# Altium PCB FIT_TDC_ADC.PcbDoc (part 5 of 10) (continued)
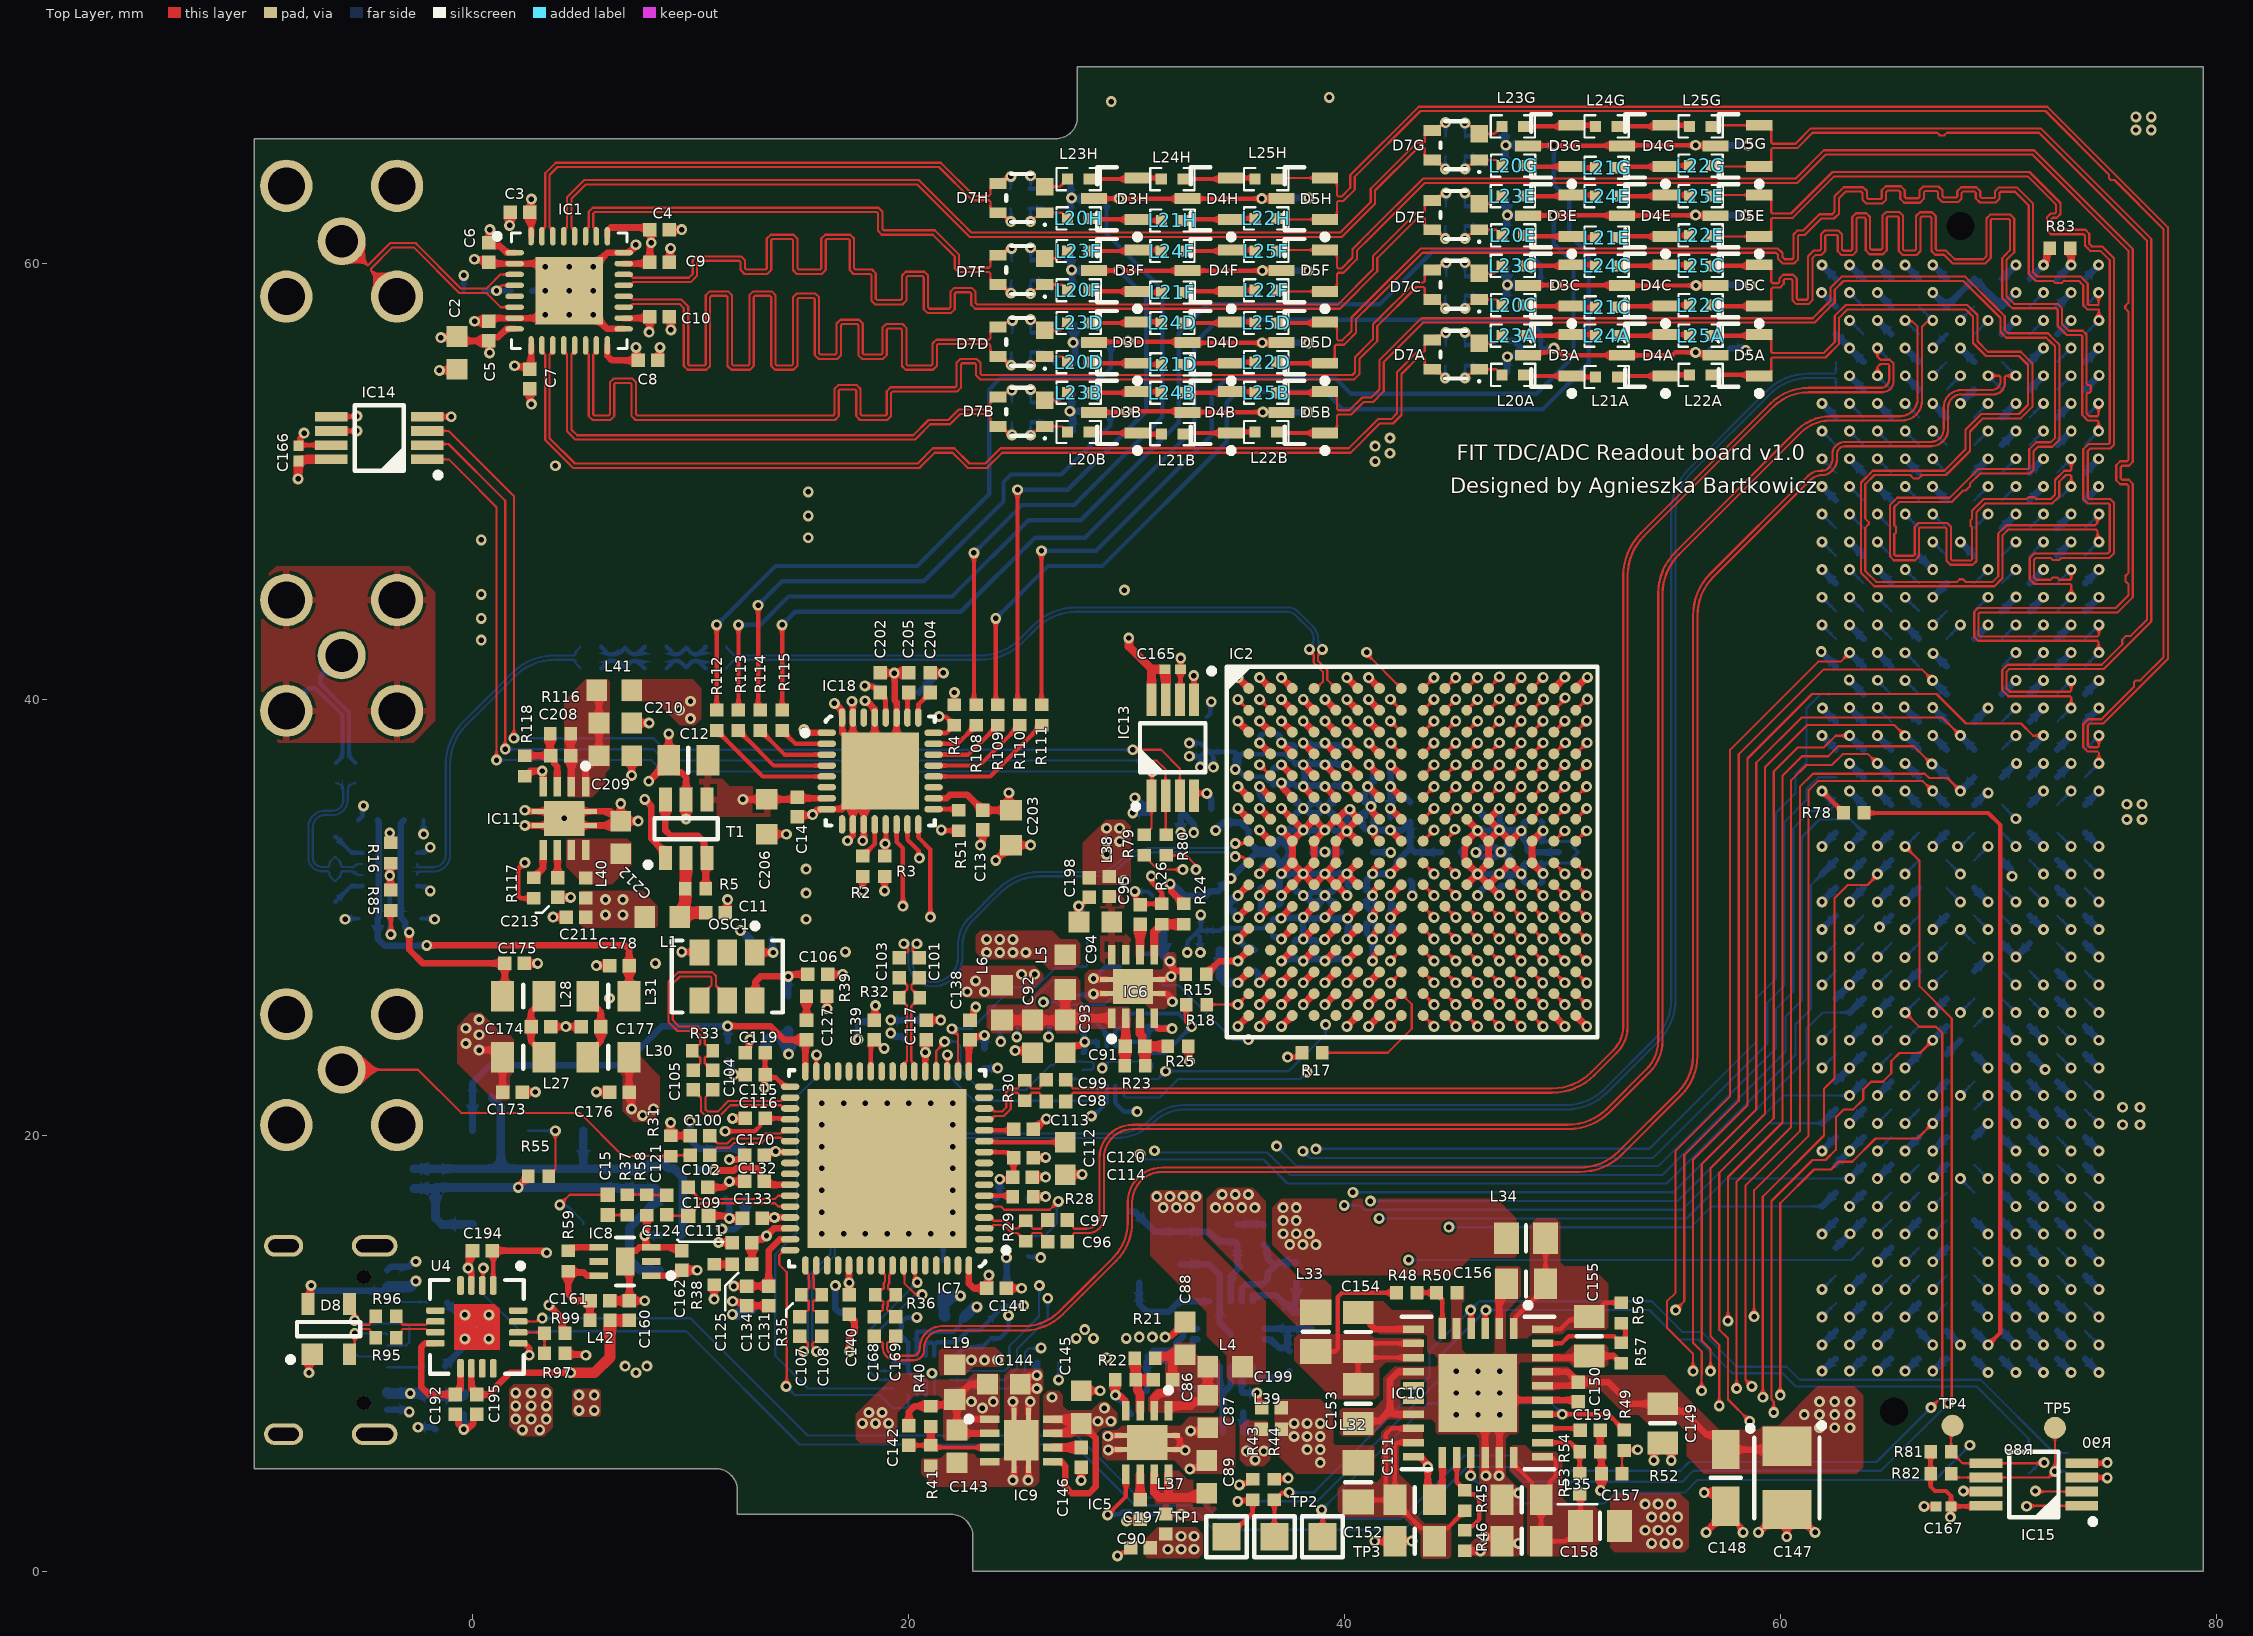
[diagram p0: Top Layer view]
## Nets (pads, with @x,y where several pads share a name; then routed paths per layer and width w, separated by ;. In a path a pad name is that pad's centre, name@x,y a point inside that pad or via, vN(x,y) a via of type N, cw(c..) or ccw(c..) an arc to the next point about the centre after c; other vN are vias at no path point) (continued)
  SIGNAL5 w0.1: v1(51.104,30.976) 51.077,30.95 50.774,30.95 50.704,30.88 50.704,30.686 50.805,30.585 52.992,30.585 53.168,30.41 53.168,29.205 53.226,29.146 53.721,29.146 53.78,29.205 53.78,31.554 53.956,31.73 54.592,31.73 54.709,31.613 54.767,31.554 54.767,29.273 54.873,29.168 57.611,29.168 57.787,28.992 57.787,23.728 57.846,23.669 58.436,23.669 58.495,23.728 58.495,28.994 58.67,29.169 59.442,29.169 59.618,28.994 59.618,23.619 59.676,23.561 60.819,23.561 60.878,23.619 60.878,25.211 60.819,25.269 60.471,25.269 60.254,25.486 60.254,28.994 60.429,29.169 61.137,29.169 61.313,28.994 61.313,26.453 61.372,26.394 62.536,26.394 62.712,26.219 62.712,23.79 62.536,23.614 61.958,23.614 61.9,23.556 v1(61.9,23.079)
  Bottom Layer w0.1: v1(61.9,23.079) J4.k29@62.535,23.714
DD_CLK_P: IC2.K15 J4.k28 | length 49.4
  Top Layer w0.1: IC2.K15@49.604,31.485 v1(50.104,30.985)
  SIGNAL5 w0.1: v1(50.104,30.985) 50.139,30.95 50.434,30.95 50.504,30.88 50.504,30.604 50.722,30.385 52.909,30.385 52.968,30.327 52.968,29.122 53.144,28.946 53.804,28.946 53.98,29.122 53.98,31.472 54.039,31.53 54.509,31.53 54.567,31.472 54.567,29.191 54.79,28.968 57.529,28.968 57.587,28.909 57.587,23.645 57.763,23.469 58.519,23.469 58.695,23.645 58.695,28.911 58.753,28.969 59.359,28.969 59.418,28.911 59.418,23.537 59.594,23.361 60.902,23.361 61.078,23.537 61.078,25.294 60.902,25.469 60.554,25.469 60.454,25.569 60.454,28.911 60.512,28.969 61.054,28.969 61.113,28.911 61.113,26.37 61.172,26.311 61.289,26.194 62.453,26.194 62.512,26.136 62.512,23.873 62.453,23.814 61.958,23.814 61.9,23.873 v1(61.9,24.349)
  Bottom Layer w0.1: v1(61.9,24.349) J4.k28@62.535,24.984
DD_D0_N: IC2.T14 J4.f35 | length 48.1
  Top Layer w0.1: IC2.T14@48.604,25.485 v1(49.104,24.985)
  SIGNAL5 w0.1: v1(49.104,24.985) 49.068,24.95 48.774,24.95 48.704,24.88 48.704,24.169 48.804,24.069 49.644,24.069 49.82,23.894 49.82,23.214 49.574,22.967 49.574,22.612 49.813,22.373 49.813,21.851 49.559,21.597 49.559,21.409 49.845,21.124 49.845,20.711 49.52,20.386 49.52,20.161 49.688,19.992 50.183,19.497 50.366,19.497 50.532,19.497 50.9,19.129 50.9,19.046 50.9,18.908 50.9,18.79 51.152,18.538 51.511,18.538 51.761,18.289 51.761,17.93 51.958,17.732 52.144,17.732 52.309,17.732 52.618,17.424 52.618,17.258 52.618,17.085 52.939,16.763 53.278,16.763 53.591,16.451 53.591,16.285 53.703,16.173 53.976,16.173 54.27,16.467 54.361,16.558 54.42,16.617 54.844,16.617 55.02,16.441 55.02,15.782 55.078,15.724 55.661,15.724 55.72,15.782 55.72,16.543 55.896,16.718 56.677,16.718 56.853,16.543 56.853,15.787 56.911,15.729 57.461,15.729 57.52,15.787 57.52,16.553 57.696,16.729 58.403,16.729 58.578,16.553 58.578,15.793 58.637,15.734 59.12,15.734 59.178,15.793 59.178,16.549 59.354,16.725 60.105,16.725 60.281,16.549 60.281,15.743 60.34,15.684 60.859,15.684 60.918,15.743 60.918,16.011 60.976,16.069 61.094,16.186 62.031,16.186 62.285,16.44 62.639,16.44 62.697,16.382 62.81,16.269 62.893,16.186 63.285,16.186 63.416,16.318 63.533,16.435 64.025,16.435 64.264,16.195 64.913,16.195 65.22,15.888 65.22,15.327 65.57,14.977 67.627,14.977 68.82,16.169 71.308,16.169 71.367,16.228 71.367,17.122 71.211,17.278 70.305,17.278 70.246,17.22 70.246,16.945 70.07,16.769 69.296,16.769 69.12,16.945 69.12,17.22 69.061,17.278 68.629,17.278 67.993,16.642 67.993,16.164 67.817,15.989 67.156,15.989 67.15,15.994 67.038,15.994 66.98,15.936 v1(66.98,15.469)
  Bottom Layer w0.1: v1(66.98,15.469) 66.99,15.469 J4.f35@67.615,16.094
DD_D0_P: IC2.T13 J4.f34 | length 49.1
  Top Layer w0.1: IC2.T13@47.604,25.485 v1(48.104,24.985)
  SIGNAL5 w0.1: v1(48.104,24.985) 48.139,24.95 48.434,24.95 48.504,24.88 48.504,24.086 48.721,23.869 49.561,23.869 49.62,23.811 49.62,23.297 49.491,23.167 49.374,23.05 49.374,22.53 49.432,22.471 49.53,22.373 49.613,22.29 49.613,21.934 49.359,21.68 49.359,21.327 49.418,21.268 49.53,21.156 49.645,21.041 49.645,20.794 49.32,20.469 49.32,20.078 49.605,19.792 50.101,19.297 50.449,19.297 50.7,19.046 50.7,18.708 51.069,18.338 51.428,18.338 51.561,18.206 51.561,17.847 51.875,17.532 52.226,17.532 52.418,17.341 52.418,17.002 52.857,16.563 52.939,16.563 53.078,16.563 53.195,16.563 53.386,16.373 53.386,16.207 53.62,15.973 54.059,15.973 54.502,16.417 54.761,16.417 54.82,16.358 54.82,15.699 54.996,15.524 55.744,15.524 55.92,15.699 55.92,16.46 55.978,16.518 56.594,16.518 56.653,16.46 56.653,15.705 56.828,15.529 57.544,15.529 57.72,15.705 57.72,16.47 57.778,16.529 58.32,16.529 58.378,16.47 58.378,15.71 58.554,15.534 59.203,15.534 59.378,15.71 59.378,16.467 59.437,16.525 60.023,16.525 60.081,16.467 60.081,15.66 60.257,15.484 60.942,15.484 61.118,15.66 61.118,15.928 61.176,15.986 62.114,15.986 62.368,16.24 62.556,16.24 62.81,15.986 63.368,15.986 63.616,16.235 63.942,16.235 64.181,15.995 64.83,15.995 65.02,15.805 65.02,15.244 65.487,14.777 67.71,14.777 68.903,15.969 71.391,15.969 71.567,16.145 71.567,17.205 71.294,17.478 70.222,17.478 70.046,17.303 70.046,17.028 69.988,16.969 69.378,16.969 69.32,17.028 69.32,17.303 69.144,17.478 68.546,17.478 67.793,16.725 67.793,16.247 67.734,16.189 67.238,16.189 67.233,16.194 67.038,16.194 66.98,16.253 v1(66.98,16.729)
  Bottom Layer w0.1: v1(66.98,16.729) J4.f34@67.615,17.364
DD_D1_N: IC2.R14 J4.f23 | length 48.7
  Top Layer w0.1: IC2.R14@48.604,26.485 v1(49.104,25.985)
  SIGNAL5 w0.1: v1(49.104,25.985) 49.068,25.95 48.774,25.95 48.704,25.88 48.704,25.661 48.762,25.603 49.434,25.603 49.504,25.673 49.504,32.359 49.87,32.725 52.322,32.725 53.431,33.834 53.548,33.951 67.174,33.951 67.291,33.834 67.572,33.554 67.689,33.437 67.689,31.069 67.489,30.869 67.283,30.869 67.225,30.811 67.225,30.199 67.283,30.141 75.073,30.141 75.131,30.199 75.131,31.179 75.073,31.238 68.361,31.238 68.25,31.126 v1(68.25,30.699)
  Bottom Layer w0.1: J4.f23@67.615,31.334 v1(68.25,30.699)
DD_D1_P: IC2.R13 J4.f22 | length 49.7
  Top Layer w0.1: IC2.R13@47.604,26.485 48.104,25.985 v1(48.104,25.98)
  SIGNAL5 w0.1: v1(48.104,25.98) 48.134,25.95 48.434,25.95 48.504,25.88 48.504,25.579 48.68,25.403 49.517,25.403 49.704,25.59 49.704,32.276 49.952,32.525 52.405,32.525 53.631,33.751 67.091,33.751 67.489,33.354 67.489,31.152 67.406,31.069 67.2,31.069 67.025,30.894 67.025,30.116 67.2,29.941 75.156,29.941 75.331,30.116 75.331,31.262 75.156,31.438 68.361,31.438 68.25,31.549 v1(68.25,31.969)
  Bottom Layer w0.1: J4.f22@67.615,32.604 v1(68.25,31.969)
DD_D2_N: IC2.P14 J4.e34 | length 49.5
  Top Layer w0.1: IC2.P14@48.604,27.485 49.091,26.998 v1(49.091,26.98)
  SIGNAL5 w0.1: v1(49.091,26.98) 49.05,27.021 48.774,27.021 48.704,27.091 48.704,27.367 48.486,27.585 47.772,27.585 47.504,27.317 47.504,23.318 47.68,23.143 48.561,23.143 48.62,23.084 48.62,19.439 48.896,19.163 52.132,15.927 53.29,14.769 64.42,14.769 64.877,14.312 64.877,14.029 64.936,13.97 65.187,13.719 65.319,13.586 65.437,13.469 67.678,13.469 67.99,13.782 68.978,14.769 70.92,14.769 71.122,14.567 71.726,14.567 71.928,14.769 72.503,14.769 72.92,15.186 72.92,15.552 72.642,15.83 72.642,16.15 72.803,16.31 72.92,16.427 72.92,16.94 72.803,17.057 72.624,17.235 72.624,17.574 72.869,17.818 72.869,18.503 72.603,18.769 69.037,18.769 68.82,18.552 68.82,18.069 68.75,17.999 v1(68.25,17.999)
  Bottom Layer w0.1: v1(68.25,17.999) J4.e34@68.885,17.364
DD_D2_P: IC2.P13 J4.e33 | length 47.5
  Top Layer w0.1: IC2.P13@47.604,27.485 48.104,26.985 v1(48.104,26.98)
  SIGNAL5 w0.1: v1(48.104,26.98) 48.145,27.021 48.434,27.021 48.504,27.091 48.504,27.284 48.403,27.385 47.855,27.385 47.704,27.234 47.704,23.401 47.762,23.343 48.644,23.343 48.82,23.167 48.82,19.522 49.096,19.246 52.273,16.069 52.473,15.869 53.373,14.969 64.503,14.969 65.077,14.395 65.077,14.112 65.519,13.669 67.595,13.669 67.907,13.982 68.895,14.969 71.003,14.969 71.205,14.767 71.644,14.767 71.846,14.969 72.42,14.969 72.72,15.269 72.72,15.469 72.442,15.747 72.442,16.233 72.72,16.51 72.72,16.857 72.424,17.152 72.424,17.657 72.669,17.901 72.669,18.42 72.52,18.569 69.12,18.569 69.02,18.469 69.02,18.069 69.09,17.999 v1(69.52,17.999)
  Bottom Layer w0.1: J4.e33@68.885,18.634 v1(69.52,17.999)
DD_D3_N: IC2.N14 J4.k38 | length 49.8
  Top Layer w0.1: IC2.N14@48.604,28.485 v1(49.104,27.985)
  SIGNAL5 w0.1: v1(49.104,27.985) 49.068,28.021 48.774,28.021 48.704,28.091 48.704,28.367 48.486,28.585 46.847,28.585 46.504,28.242 46.504,22.545 46.68,22.369 47.756,22.369 47.815,22.311 47.815,21.928 47.756,21.869 46.637,21.869 46.461,21.694 46.461,21.045 46.637,20.869 47.737,20.869 47.805,20.801 47.805,20.42 47.746,20.362 46.983,20.362 46.766,20.145 46.766,19.915 46.766,19.896 47.028,19.634 47.509,19.153 47.857,19.153 48.108,18.902 48.108,18.564 48.477,18.194 48.836,18.194 48.969,18.062 48.969,17.703 49.283,17.388 49.634,17.388 49.826,17.197 49.826,16.858 50.265,16.419 50.347,16.419 50.486,16.419 50.603,16.419 50.799,16.224 50.799,15.865 51.105,15.558 51.464,15.558 51.732,15.29 51.732,14.939 52.213,14.458 52.561,14.458 52.813,14.207 52.813,13.868 53.182,13.499 53.541,13.499 53.673,13.367 53.673,13.007 53.831,12.85 54.173,12.508 54.647,12.508 54.822,12.684 54.822,13.836 54.881,13.895 55.395,13.895 55.453,13.836 55.453,12.452 55.629,12.276 56.364,12.276 56.54,12.452 56.54,13.846 56.598,13.904 57.191,13.904 57.249,13.846 57.249,12.376 57.425,12.201 58.268,12.201 58.444,12.376 58.444,13.855 58.502,13.914 59.118,13.914 59.176,13.855 59.176,12.376 59.352,12.201 60.148,12.201 60.312,12.364 60.312,13.845 60.37,13.904 60.907,13.904 60.965,13.845 60.965,12.376 61.141,12.201 61.841,12.201 61.9,12.142 v1(61.9,11.649)
  Bottom Layer w0.1: v1(61.9,11.649) J4.k38@62.535,12.284
DD_D3_P: IC2.N13 J4.k37 | length 48.8
  Top Layer w0.1: IC2.N13@47.604,28.485 v1(48.104,27.985)
  SIGNAL5 w0.1: v1(48.104,27.985) 48.139,28.021 48.434,28.021 48.504,28.091 48.504,28.284 48.403,28.385 46.93,28.385 46.704,28.159 46.704,22.628 46.762,22.569 47.839,22.569 48.015,22.394 48.015,21.845 47.839,21.669 46.72,21.669 46.661,21.611 46.661,21.128 46.72,21.069 47.82,21.069 48.005,20.884 48.005,20.338 47.829,20.162 47.066,20.162 46.966,20.062 46.966,19.979 47.228,19.717 47.591,19.353 47.774,19.353 47.94,19.353 48.308,18.985 48.308,18.902 48.308,18.764 48.308,18.646 48.56,18.394 48.919,18.394 49.169,18.145 49.169,17.786 49.366,17.588 49.552,17.588 49.717,17.588 50.026,17.28 50.026,17.114 50.026,16.941 50.347,16.619 50.686,16.619 50.999,16.307 50.999,16.141 50.999,15.947 51.188,15.758 51.547,15.758 51.932,15.373 51.932,15.207 51.932,15.022 52.296,14.658 52.479,14.658 52.644,14.658 53.013,14.29 53.013,14.207 53.013,14.069 53.013,13.951 53.265,13.699 53.624,13.699 53.873,13.45 53.873,13.09 54.256,12.708 54.564,12.708 54.622,12.767 54.622,13.919 54.798,14.095 55.478,14.095 55.653,13.919 55.653,12.534 55.712,12.476 56.281,12.476 56.34,12.534 56.34,13.929 56.516,14.104 57.274,14.104 57.449,13.929 57.449,12.459 57.508,12.401 58.185,12.401 58.244,12.459 58.244,13.938 58.419,14.114 59.201,14.114 59.376,13.938 59.376,12.459 59.435,12.401 60.065,12.401 60.112,12.447 60.112,13.928 60.288,14.104 60.989,14.104 61.165,13.928 61.165,12.459 61.224,12.401 61.841,12.401 61.9,12.459 v1(61.9,12.919)
  Bottom Layer w0.1: v1(61.9,12.919) J4.k37@62.535,13.554
DD_D4_N: IC2.M14 J4.f38 | length 50.2
  Top Layer w0.1: IC2.M14@48.604,29.485 v1(49.104,28.985)
  SIGNAL5 w0.1: v1(49.104,28.985) 49.068,29.021 48.774,29.021 48.704,29.091 48.704,29.367 48.486,29.585 45.815,29.585 45.504,29.274 45.504,19.842 46.103,19.243 53.036,12.31 54.038,11.307 56.135,11.307 56.194,11.249 56.194,10.675 56.369,10.499 59.265,10.499 59.441,10.675 59.441,11.261 59.499,11.319 60.429,11.319 60.487,11.261 60.487,10.625 60.663,10.449 61.295,10.449 61.471,10.625 61.471,10.893 61.529,10.951 62.485,10.951 62.603,11.069 62.72,11.186 62.72,13.969 62.82,14.069 63.778,14.069 63.837,14.011 63.837,11.169 64.078,10.928 64.137,10.869 64.903,10.869 65.12,11.086 65.12,12.126 65.178,12.184 66.921,12.184 66.98,12.126 v1(66.98,11.649)
  Bottom Layer w0.1: v1(66.98,11.649) J4.f38@67.615,12.284
DD_D4_P: IC2.M13 J4.f37 | length 49.2
  Top Layer w0.1: IC2.M13@47.604,29.485 v1(48.104,28.985)
  SIGNAL5 w0.1: v1(48.104,28.985) 48.139,29.021 48.434,29.021 48.504,29.091 48.504,29.284 48.403,29.385 45.898,29.385 45.704,29.191 45.704,19.925 46.303,19.326 53.119,12.51 54.121,11.507 56.218,11.507 56.394,11.332 56.394,10.758 56.452,10.699 59.182,10.699 59.241,10.758 59.241,11.343 59.417,11.519 60.511,11.519 60.687,11.343 60.687,10.708 60.746,10.649 61.212,10.649 61.271,10.708 61.271,10.976 61.446,11.151 62.402,11.151 62.52,11.269 62.52,14.052 62.737,14.269 63.861,14.269 64.037,14.094 64.037,11.252 64.22,11.069 64.82,11.069 64.92,11.169 64.92,12.209 65.096,12.384 66.921,12.384 66.98,12.443 v1(66.98,12.921)
  Bottom Layer w0.1: v1(66.98,12.921) 66.982,12.921 J4.f37@67.615,13.554
DD_D5_N: IC2.L14 J4.e37 | length 49.4
  Top Layer w0.1: IC2.L14@48.604,30.485 v1(49.104,29.985)
  SIGNAL5 w0.1: v1(49.104,29.985) 49.068,30.021 48.774,30.021 48.704,30.091 48.704,30.367 48.486,30.585 47.278,30.585 46.929,30.585 44.855,30.585 44.504,30.234 44.504,19.284 44.854,18.934 54.167,9.621 65.234,9.621 65.351,9.738 66.483,10.869 67.303,10.869 68.25,11.816 68.25,12.819 68.885,13.454 69.219,13.454 69.461,13.454 69.52,13.396 v1(69.52,12.919)
  Bottom Layer w0.1: J4.e37@68.885,13.554 v1(69.52,12.919)
DD_D5_P: IC2.L13 J4.e36 | length 48.4
  Top Layer w0.1: IC2.L13@47.604,30.485 v1(48.104,29.985)
  SIGNAL5 w0.1: v1(48.104,29.985) 48.139,30.021 48.434,30.021 48.504,30.091 48.504,30.284 48.403,30.385 47.361,30.385 46.846,30.385 44.938,30.385 44.704,30.151 44.704,19.367 45.054,19.016 54.25,9.821 65.151,9.821 66.4,11.069 67.22,11.069 68.05,11.899 68.05,12.902 68.802,13.654 69.302,13.654 69.461,13.654 69.52,13.713 v1(69.52,14.189)
  Bottom Layer w0.1: J4.e36@68.885,14.824 v1(69.52,14.189)
DD_D6_N: IC2.K14 J4.e22 | length 47.6
  Top Layer w0.1: IC2.K14@48.604,31.485 v1(49.104,30.985)
  SIGNAL5 w0.1: v1(49.104,30.985) 49.068,31.021 48.774,31.021 48.704,31.091 48.704,32.402 48.52,32.585 46.205,32.585 46.185,32.566 44.914,32.566 44.855,32.624 44.855,33.301 44.92,33.366 46.465,33.366 46.485,33.385 47.83,33.385 47.855,33.36 51.911,33.36 52.229,33.677 52.229,34.311 52.288,34.369 52.868,34.369 52.952,34.453 67.953,34.453 68.06,34.346 68.548,33.858 75.031,33.858 75.178,33.711 75.178,32.828 75.02,32.669 69.12,32.669 68.975,32.814 68.975,33.181 69.033,33.239 v1(69.52,33.239)
  Bottom Layer w0.1: J4.e22@68.885,32.604 v1(69.52,33.239)
DD_D6_P: IC2.K13 J4.e21 | length 49.2
  Top Layer w0.1: IC2.K13@47.604,31.485 v1(48.104,30.985)
  SIGNAL5 w0.1: v1(48.104,30.985) 48.139,31.021 48.434,31.021 48.504,31.091 48.504,32.319 48.438,32.385 46.288,32.385 46.268,32.366 44.831,32.366 44.655,32.541 44.655,33.384 44.837,33.566 46.382,33.566 46.402,33.585 47.912,33.585 47.938,33.56 51.829,33.56 52.029,33.76 52.029,34.394 52.205,34.569 52.785,34.569 52.869,34.653 68.036,34.653 68.26,34.429 68.631,34.058 75.114,34.058 75.32,33.852 75.378,33.794 75.378,32.745 75.103,32.469 69.037,32.469 68.775,32.731 68.775,33.181 68.716,33.239 v1(68.12,33.239)
  Bottom Layer w0.1: v1(68.12,33.239) 68.158,33.278 68.288,33.278 J4.e21@68.885,33.874
DD_D7_N: IC2.R16 J4.e31 | length 48.7
  Top Layer w0.1: IC2.R16@50.604,26.485 51.104,25.985 v1(51.11,25.985)
  SIGNAL5 w0.1: v1(51.11,25.985) 51.075,25.95 50.774,25.95 50.704,25.88 50.704,20.504 53.308,17.9 53.738,17.469 54.253,17.469 54.382,17.598 54.499,17.716 55.02,17.716 55.078,17.657 55.176,17.559 55.259,17.476 55.615,17.476 55.869,17.73 56.222,17.73 56.281,17.671 56.393,17.559 56.476,17.476 56.756,17.476 56.887,17.607 57.004,17.724 57.44,17.724 57.557,17.607 57.68,17.485 58.135,17.485 58.374,17.724 58.816,17.724 58.933,17.607 59.07,17.47 59.338,17.47 59.592,17.724 60.137,17.724 60.254,17.607 60.385,17.476 60.899,17.476 61.028,17.605 61.145,17.722 61.532,17.722 61.649,17.605 61.772,17.483 62.095,17.483 62.232,17.62 62.349,17.737 62.721,17.737 62.839,17.62 62.975,17.483 63.276,17.483 63.407,17.614 63.524,17.731 64.003,17.731 64.12,17.614 64.242,17.491 64.584,17.491 64.707,17.614 64.824,17.731 65.245,17.731 65.363,17.614 65.499,17.477 65.864,17.477 66.001,17.614 66.118,17.731 66.621,17.731 66.738,17.614 66.882,17.469 67.337,17.469 67.478,17.611 67.478,18.685 67.596,18.802 68.553,19.759 68.553,20.902 68.92,21.269 70.044,21.269 70.22,21.094 70.22,20.086 70.337,19.969 73.904,19.969 73.963,20.028 73.963,22.326 73.861,22.428 72.9,22.428 72.82,22.348 72.82,21.275 72.614,21.069 71.562,21.069 71.32,21.312 71.32,22.311 71.261,22.369 69.04,22.369 68.981,22.311 68.981,21.877 69.04,21.819 69.404,21.819 69.457,21.872 v1(69.52,21.809)
  Bottom Layer w0.1: J4.e31@68.885,21.174 v1(69.52,21.809)
DD_D7_P: IC2.R15 J4.e30 | length 50
  Top Layer w0.1: IC2.R15@49.604,26.485 v1(50.104,25.985)
  SIGNAL5 w0.1: v1(50.104,25.985) 50.139,25.95 50.434,25.95 50.504,25.88 50.504,20.421 53.108,17.817 53.655,17.269 54.335,17.269 54.582,17.516 54.937,17.516 55.176,17.276 55.698,17.276 55.952,17.53 56.14,17.53 56.394,17.276 56.838,17.276 57.087,17.524 57.357,17.524 57.597,17.285 58.217,17.285 58.276,17.343 58.374,17.441 58.457,17.524 58.733,17.524 58.987,17.27 59.42,17.27 59.591,17.441 59.674,17.524 60.054,17.524 60.302,17.276 60.982,17.276 61.228,17.522 61.449,17.522 61.689,17.283 62.178,17.283 62.432,17.537 62.639,17.537 62.893,17.283 63.359,17.283 63.607,17.531 63.92,17.531 64.159,17.291 64.667,17.291 64.907,17.531 65.163,17.531 65.417,17.277 65.947,17.277 66.201,17.531 66.538,17.531 66.8,17.269 67.42,17.269 67.678,17.528 67.678,18.602 68.753,19.676 68.753,20.82 69.003,21.069 69.961,21.069 70.02,21.011 70.02,20.004 70.254,19.769 73.987,19.769 74.163,19.945 74.163,22.409 73.944,22.628 72.817,22.628 72.62,22.431 72.62,21.358 72.531,21.269 71.645,21.269 71.52,21.394 71.52,22.394 71.344,22.569 68.957,22.569 68.781,22.394 68.781,21.874 68.717,21.809 v1(68.25,21.809)
  Bottom Layer w0.1: v1(68.25,21.809) J4.e30@68.885,22.444
DD_D8_N: IC2.P16 J4.e25 | length 48.1
  Top Layer w0.1: IC2.P16@50.604,27.485 51.106,26.983 v1(51.11,26.983)
  SIGNAL5 w0.1: v1(51.11,26.983) 51.077,26.95 50.774,26.95 50.704,26.88 50.704,26.669 50.762,26.61 51.373,26.61 51.773,26.21 51.773,24.286 51.655,24.169 51.53,24.044 51.53,23.535 51.696,23.369 51.813,23.252 51.813,22.575 51.696,22.458 51.466,22.228 51.466,21.639 51.574,21.532 51.679,21.427 51.737,21.368 51.737,20.922 53.89,18.769 54.404,18.769 54.533,18.898 54.65,19.016 55.171,19.016 55.23,18.957 55.328,18.859 55.411,18.776 55.767,18.776 56.021,19.03 56.374,19.03 56.433,18.971 56.545,18.859 56.628,18.776 56.907,18.776 57.038,18.907 57.156,19.024 57.592,19.024 57.709,18.907 57.832,18.785 58.286,18.785 58.526,19.024 58.968,19.024 59.085,18.907 59.222,18.77 59.489,18.77 59.743,19.024 60.288,19.024 60.405,18.907 60.537,18.776 65.948,18.776 66.22,19.048 66.22,19.552 66.637,19.969 67.189,19.969 67.52,20.3 67.52,22.581 67.637,22.698 67.748,22.809 67.865,22.926 68.401,22.926 68.495,23.02 68.495,23.444 68.612,23.562 68.703,23.652 68.82,23.769 73.62,23.769 73.82,23.969 73.82,28.469 73.62,28.669 70.995,28.669 70.992,28.666 68.896,28.666 68.72,28.842 68.72,29.369 68.66,29.429 v1(68.25,29.429)
  Bottom Layer w0.1: v1(68.25,29.429) J4.e25@68.885,28.794
DD_D8_P: IC2.P15 J4.e24 | length 48.9
  Top Layer w0.1: IC2.P15@49.604,27.485 v1(50.104,26.985)
  SIGNAL5 w0.1: v1(50.104,26.985) 50.139,26.95 50.434,26.95 50.504,26.88 50.504,26.586 50.68,26.41 51.29,26.41 51.573,26.128 51.573,24.369 51.33,24.127 51.33,23.452 51.613,23.169 51.613,22.658 51.266,22.311 51.266,21.557 51.537,21.285 51.537,20.839 53.807,18.569 54.487,18.569 54.733,18.816 55.088,18.816 55.328,18.576 55.85,18.576 56.104,18.83 56.291,18.83 56.545,18.576 56.99,18.576 57.238,18.824 57.509,18.824 57.749,18.585 58.369,18.585 58.428,18.643 58.526,18.741 58.609,18.824 58.885,18.824 59.139,18.57 59.572,18.57 59.743,18.741 59.826,18.824 60.205,18.824 60.454,18.576 66.031,18.576 66.42,18.965 66.42,19.469 66.72,19.769 67.272,19.769 67.72,20.217 67.72,22.498 67.948,22.726 68.483,22.726 68.695,22.938 68.695,23.362 68.903,23.569 73.703,23.569 74.02,23.886 74.02,28.552 73.761,28.811 73.703,28.869 70.912,28.869 70.909,28.866 68.978,28.866 68.92,28.925 68.92,29.371 68.978,29.429 v1(69.52,29.429)
  Bottom Layer w0.1: J4.e24@68.885,30.064 v1(69.52,29.429)
DD_D9_N: IC2.N16 J4.f26 | length 49.2
  Top Layer w0.1: IC2.N16@50.604,28.485 v1(51.104,27.985)
  SIGNAL5 w0.1: v1(51.104,27.985) 51.068,27.95 50.774,27.95 50.704,27.88 50.704,27.686 50.805,27.585 51.435,27.585 51.552,27.468 52.541,26.48 52.541,21.44 53.911,20.069 54.426,20.069 54.555,20.198 54.672,20.316 55.193,20.316 55.251,20.257 55.349,20.159 55.432,20.076 55.788,20.076 56.042,20.33 56.396,20.33 56.454,20.271 56.567,20.159 56.65,20.076 65.812,20.076 66.32,20.584 66.32,23.538 66.437,23.655 66.496,23.714 67.754,23.714 67.813,23.772 67.813,24.345 68.04,24.572 69.703,24.572 69.761,24.631 69.761,24.916 69.82,24.974 69.937,25.092 72.359,25.092 72.578,25.311 72.578,27.711 72.461,27.828 71.678,27.828 71.62,27.769 71.62,26.371 71.503,26.253 71.32,26.071 70.316,26.071 70.199,26.188 70.14,26.247 70.14,27.408 70.079,27.469 69.42,27.469 69.32,27.369 69.32,27.086 69.103,26.869 68.537,26.869 68.478,26.928 68.32,27.086 68.32,28.426 68.261,28.485 67.778,28.485 67.72,28.426 67.72,27.686 67.503,27.469 67.038,27.469 66.98,27.411 v1(66.98,26.889)
  Bottom Layer w0.1: v1(66.98,26.889) J4.f26@67.615,27.524
DD_D9_P: IC2.N15 J4.f25 | length 50.1
  Top Layer w0.1: IC2.N15@49.604,28.485 v1(50.104,27.985)
  SIGNAL5 w0.1: v1(50.104,27.985) 50.139,27.95 50.434,27.95 50.504,27.88 50.504,27.604 50.722,27.385 51.352,27.385 52.341,26.397 52.341,21.357 53.829,19.869 54.508,19.869 54.755,20.116 55.11,20.116 55.349,19.876 55.871,19.876 56.125,20.13 56.313,20.13 56.567,19.876 65.895,19.876 66.52,20.501 66.52,23.455 66.578,23.514 67.837,23.514 68.013,23.69 68.013,24.262 68.123,24.372 69.785,24.372 69.961,24.548 69.961,24.833 70.02,24.892 72.442,24.892 72.778,25.228 72.778,27.794 72.603,27.969 72.544,28.028 71.596,28.028 71.42,27.852 71.42,26.453 71.238,26.271 70.399,26.271 70.34,26.33 70.34,27.491 70.162,27.669 69.337,27.669 69.12,27.452 69.12,27.169 69.02,27.069 68.62,27.069 68.52,27.169 68.52,28.509 68.344,28.685 67.696,28.685 67.52,28.509 67.52,27.769 67.42,27.669 67.038,27.669 66.98,27.728 v1(66.98,28.159)
  Bottom Layer w0.1: v1(66.98,28.159) J4.f25@67.615,28.794
DD_D10_N: IC2.M16 J4.e28 | length 49.1
  Top Layer w0.1: IC2.M16@50.604,29.485 v1(51.104,28.985)
  SIGNAL5 w0.1: v1(51.104,28.985) 51.068,28.95 50.774,28.95 50.704,28.88 50.704,28.686 50.805,28.585 51.579,28.585 51.696,28.468 52.495,27.669 53.065,27.669 53.241,27.494 53.241,26.836 53.496,26.582 53.496,26.145 53.346,25.995 53.346,25.352 53.548,25.15 53.548,24.721 53.52,24.693 53.346,24.519 53.346,23.769 53.514,23.601 53.514,23.164 53.346,22.995 53.346,21.918 54.012,21.251 54.256,21.251 54.563,21.559 55.034,21.559 55.093,21.501 55.348,21.246 55.535,21.246 55.882,21.593 56.218,21.593 56.276,21.534 56.551,21.26 56.905,21.26 57.1,21.455 57.217,21.572 57.602,21.572 57.906,21.268 58.219,21.268 58.358,21.406 58.47,21.519 58.529,21.578 58.882,21.578 59.188,21.271 59.44,21.271 59.575,21.406 59.673,21.504 59.731,21.563 60.139,21.563 60.449,21.253 60.703,21.253 61.022,21.572 61.402,21.572 61.777,21.197 61.948,21.197 62.158,21.406 62.27,21.519 62.329,21.578 62.682,21.578 63.037,21.222 63.256,21.222 63.479,21.446 63.596,21.563 64.026,21.563 64.373,21.216 64.767,21.216 65.026,21.476 65.026,21.99 64.897,22.119 64.78,22.236 64.78,22.757 64.839,22.816 64.937,22.914 65.02,22.997 65.02,23.353 64.766,23.607 64.766,23.96 64.824,24.019 64.937,24.131 65.02,24.214 65.02,24.493 64.889,24.624 64.771,24.742 64.771,25.178 64.889,25.295 65.011,25.418 65.011,25.872 64.771,26.112 64.771,26.554 64.889,26.671 65.025,26.808 65.025,27.075 64.771,27.329 64.771,27.874 64.889,27.991 65.02,28.123 65.02,28.711 64.87,28.862 64.329,28.862 64.089,29.102 63.761,29.43 63.761,29.994 64.006,30.238 66.063,30.238 66.18,30.121 66.261,30.04 66.378,29.923 66.378,29.187 66.261,29.07 66.139,28.948 66.139,28.646 66.378,28.406 66.378,27.802 66.124,27.548 66.124,27.391 66.378,27.137 66.378,26.517 66.199,26.338 66.199,26.035 66.385,25.849 66.385,25.204 66.62,24.969 67.32,24.969 67.42,25.069 67.42,26.205 67.596,26.38 68.792,26.38 69.024,26.148 69.024,25.678 69.082,25.619 v1(69.52,25.619)
  Bottom Layer w0.1: J4.e28@68.885,24.984 v1(69.52,25.619)
DD_D10_P: IC2.M15 J4.e27 | length 49.2
  Top Layer w0.1: IC2.M15@49.604,29.485 v1(50.104,28.985)
  SIGNAL5 w0.1: v1(50.104,28.985) 50.139,28.95 50.434,28.95 50.504,28.88 50.504,28.604 50.722,28.385 51.496,28.385 52.412,27.469 52.983,27.469 53.041,27.411 53.041,26.753 53.296,26.499 53.296,26.228 53.146,26.078 53.146,25.269 53.348,25.067 53.348,24.804 53.32,24.776 53.146,24.602 53.146,23.686 53.314,23.518 53.314,23.246 53.146,23.078 53.146,21.835 53.93,21.051 54.338,21.051 54.646,21.359 54.951,21.359 55.094,21.217 55.206,21.104 55.265,21.046 55.618,21.046 55.965,21.393 56.135,21.393 56.311,21.217 56.409,21.119 56.468,21.06 56.988,21.06 57.3,21.372 57.519,21.372 57.824,21.068 58.302,21.068 58.611,21.378 58.799,21.378 59.105,21.071 59.523,21.071 59.581,21.13 59.814,21.363 60.056,21.363 60.366,21.053 60.786,21.053 61.105,21.372 61.319,21.372 61.694,20.997 62.031,20.997 62.411,21.378 62.599,21.378 62.954,21.022 63.339,21.022 63.679,21.363 63.943,21.363 64.29,21.016 64.85,21.016 65.226,21.393 65.226,22.073 64.98,22.319 64.98,22.674 65.22,22.914 65.22,23.436 64.966,23.69 64.966,23.877 65.22,24.131 65.22,24.576 64.971,24.824 64.971,25.095 65.211,25.335 65.211,25.955 65.152,26.014 65.054,26.112 64.971,26.195 64.971,26.471 65.225,26.725 65.225,27.158 65.167,27.217 65.054,27.329 64.971,27.412 64.971,27.791 65.22,28.04 65.22,28.794 64.952,29.062 64.412,29.062 64.172,29.302 63.961,29.513 63.961,29.911 64.089,30.038 65.98,30.038 66.178,29.84 66.178,29.27 65.939,29.031 65.939,28.563 66.178,28.323 66.178,27.885 65.924,27.631 65.924,27.308 66.178,27.054 66.178,26.6 65.999,26.42 65.999,25.952 66.185,25.766 66.185,25.122 66.537,24.769 67.403,24.769 67.62,24.986 67.62,26.122 67.678,26.18 68.709,26.18 68.824,26.065 68.824,25.678 68.765,25.619 v1(68.25,25.619)
  Bottom Layer w0.1: v1(68.25,25.619) J4.e27@68.885,26.254
DD_D11_N: IC2.L16 J4.j25 | length 48.2
  Top Layer w0.1: IC2.L16@50.604,30.485 v1(51.104,29.985)
  SIGNAL5 w0.1: v1(51.104,29.985) 51.068,29.95 50.774,29.95 50.704,29.88 50.704,29.686 50.805,29.585 52.148,29.585 52.324,29.41 52.324,28.833 52.75,28.406 54.89,28.406 55.066,28.231 55.066,27.701 54.89,27.525 54.084,27.525 54.025,27.466 54.025,27.07 54.084,27.011 54.887,27.011 55.063,26.836 55.063,26.206 54.887,26.03 54.248,26.03 54.189,25.971 54.189,25.478 54.248,25.42 54.88,25.42 55.056,25.244 55.056,24.597 54.88,24.421 54.22,24.421 54.161,24.362 54.161,23.957 54.22,23.898 54.906,23.898 55.082,23.723 55.082,23.109 54.906,22.933 54.278,22.933 54.22,22.875 54.22,22.374 54.278,22.316 55.595,22.316 55.72,22.441 55.72,28.24 55.896,28.415 56.646,28.415 56.822,28.24 56.822,22.562 56.88,22.504 57.395,22.504 57.524,22.633 57.641,22.75 58.162,22.75 58.22,22.691 58.318,22.594 58.401,22.511 58.757,22.511 59.011,22.765 59.365,22.765 59.423,22.706 59.536,22.594 59.619,22.511 63.636,22.511 63.761,22.636 63.761,23.185 63.522,23.424 63.522,23.956 63.58,24.014 63.678,24.112 63.761,24.195 63.761,24.552 63.507,24.806 63.507,25.159 63.566,25.217 63.678,25.33 63.761,25.413 63.761,25.837 63.513,26.085 63.513,26.465 63.761,26.714 63.761,28.431 63.523,28.669 63.228,28.669 63.17,28.611 v1(63.17,28.159)
  Bottom Layer w0.1: v1(63.17,28.159) J4.j25@63.805,28.794